# Altium PCB Zilents_TKL.PcbDoc (part 2 of 3) (continued)
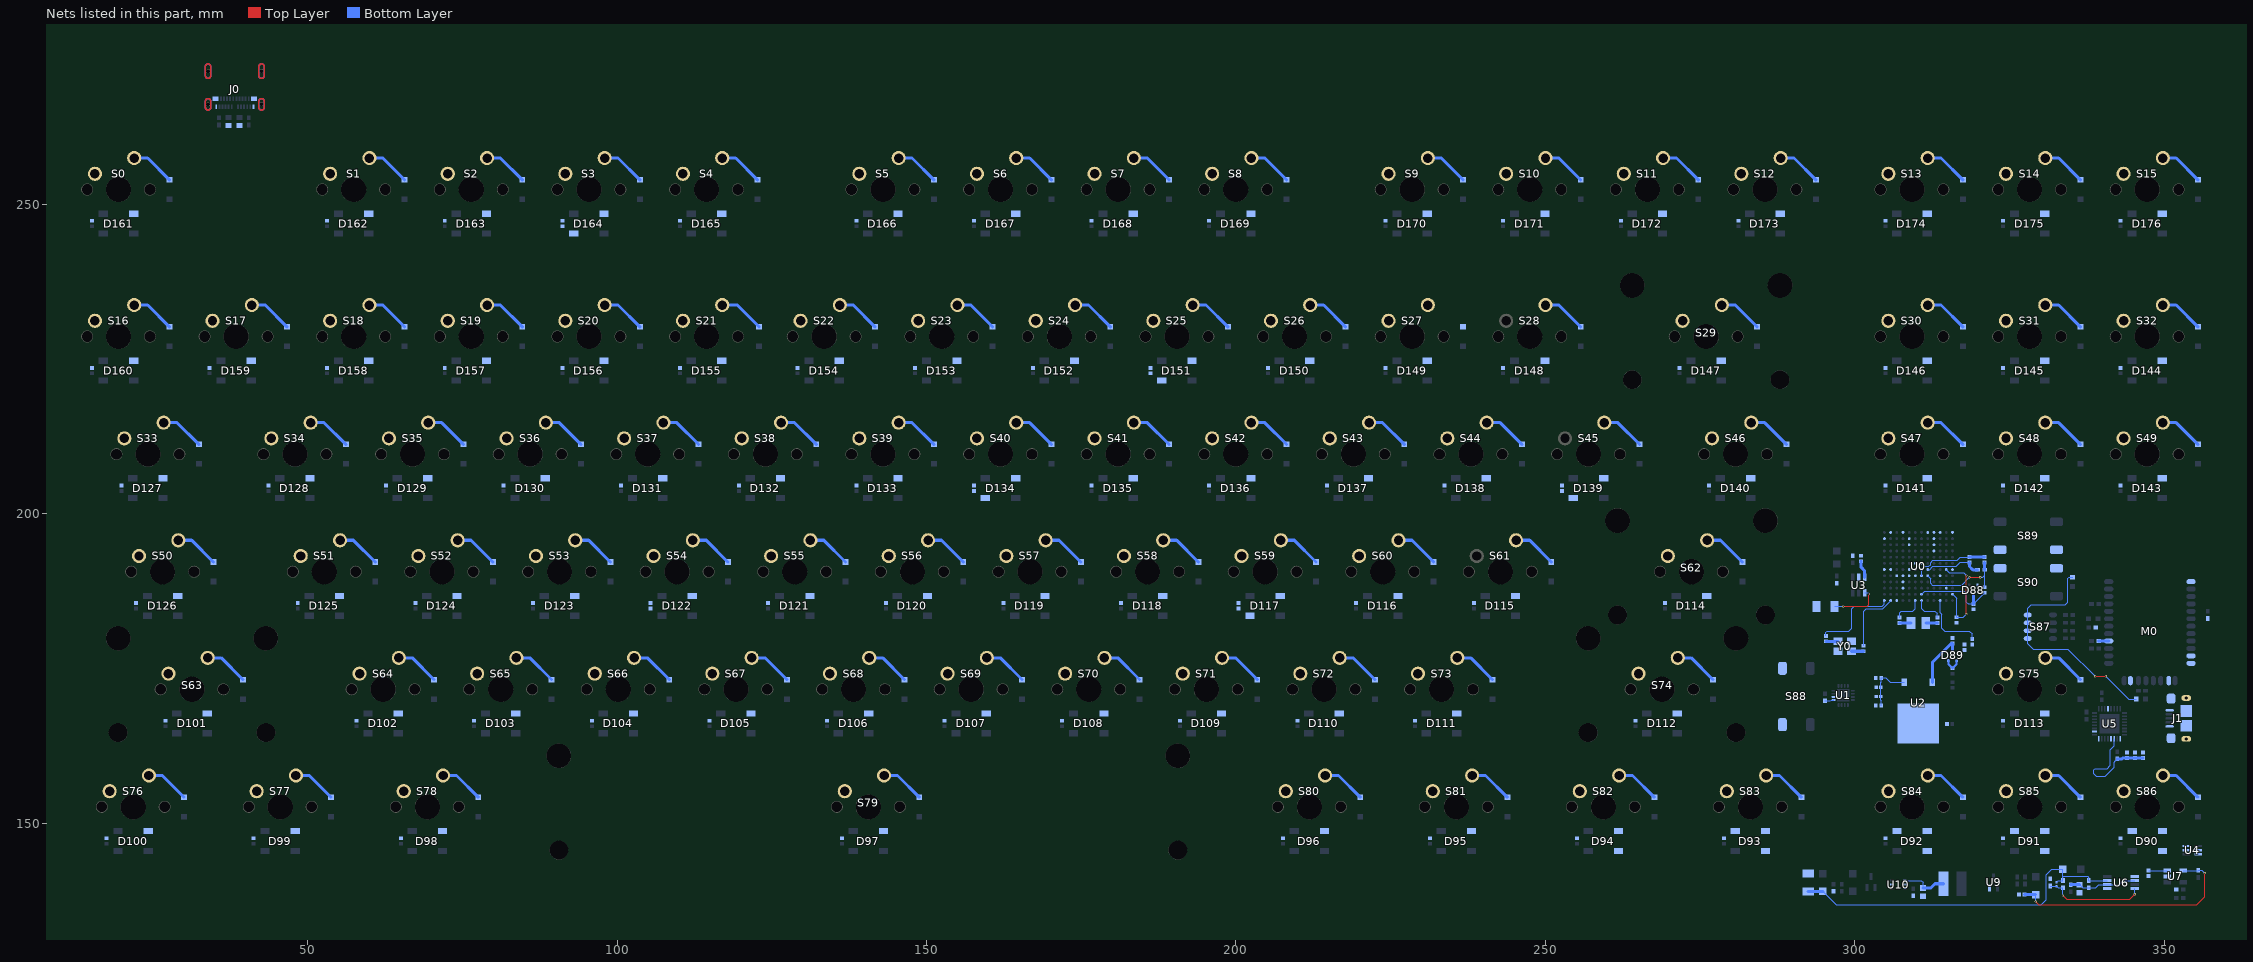
[diagram p2: the nets of this part, all layers, seen from the top]
## Part data (continued)
R27: library part ERJ-2RKF5100X, "RES SMD 510 OHM 1% 1/10W 0402", Device Package="0402 (1005 Metric)", Manufacturer="Panasonic Electronic Components", PowerRating="0.1W, 1/10W", Supplier Part Number 1=P510LTR-ND, TemperatureCoefficient=100ppm/C, TemperatureRange="-55C ~ 155C", Tolerance=1%, ComponentLink1Description=Datasheet, ComponentLink1URL=http://industrial.panasonic.com/www-cgi/jvcr13pz.cgi?E+PZ+3+AOA0002+ERJ2RKF5100X+7+WW, ComponentLink2Description="Digikey listing", ComponentLink2URL=http://digikey.com/product-detail/en/ERJ-2RKF5100X/P510LTR-ND/1746240, PartId=219, Part Number=ERJ-2RKF5100X, Price=0.0043, Supplier 1=Digi-Key, Type="Thick Film"
R28: library part ERJ-2RKF2003X, "RES SMD 200K OHM 1% 1/10W 0402", Device Package="0402 (1005 Metric)", Manufacturer="Panasonic Electronic Components", PowerRating="0.1W, 1/10W", Supplier Part Number 1=P200KLTR-ND, TemperatureCoefficient=100ppm/C, TemperatureRange="-55C ~ 155C", Tolerance=1%, ComponentLink1Description=Datasheet, ComponentLink1URL=http://industrial.panasonic.com/www-cgi/jvcr13pz.cgi?E+PZ+3+AOA0002+ERJ2RKF2003X+7+WW, ComponentLink2Description="Digikey listing", ComponentLink2URL=http://digikey.com/product-detail/en/ERJ-2RKF2003X/P200KLTR-ND/192216, PartId=17, Part Number=ERJ-2RKF2003X, Price=0.0043, Supplier 1=Digi-Key, Type="Thick Film"
R29: library part ERJ-2RKF1503X, "RES SMD 150K OHM 1% 1/10W 0402", Device Package="0402 (1005 Metric)", Manufacturer="Panasonic Electronic Components", PowerRating="0.1W, 1/10W", Supplier Part Number 1=P150KLTR-ND, TemperatureCoefficient=100ppm/C, TemperatureRange="-55C ~ 155C", Tolerance=1%, ComponentLink1Description=Datasheet, ComponentLink1URL=http://industrial.panasonic.com/www-cgi/jvcr13pz.cgi?E+PZ+3+AOA0002+ERJ2RKF1503X+7+WW, ComponentLink2Description="Digikey listing", ComponentLink2URL=http://digikey.com/product-detail/en/ERJ-2RKF1503X/P150KLTR-ND/192149, PartId=154, Part Number=ERJ-2RKF1503X, Price=0.0043, Supplier 1=Digi-Key, Type="Thick Film"
R30: library part ERJ-2RKF5102X, "RES SMD 51K OHM 1% 1/10W 0402", Device Package="0402 (1005 Metric)", Manufacturer="Panasonic Electronic Components", PowerRating="0.1W, 1/10W", Supplier Part Number 1=P51.0KLTR-ND, TemperatureCoefficient=100ppm/C, TemperatureRange="-55C ~ 155C", Tolerance=1%, ComponentLink1Description=Datasheet, ComponentLink1URL=http://industrial.panasonic.com/www-cgi/jvcr13pz.cgi?E+PZ+3+AOA0002+ERJ2RKF5102X+7+WW, ComponentLink2Description="Digikey listing", ComponentLink2URL=http://digikey.com/product-detail/en/ERJ-2RKF5102X/P51.0KLTR-ND/1647131, PartId=166, Part Number=ERJ-2RKF5102X, Price=0.0043, Supplier 1=Digi-Key, Type="Thick Film"
S0 S1 S2 S3 S4 S5 S6 S7 S8 S9 S10 S11 S12 S13 S14 S15 S16 S17 S18 S19 S20 S21 S22 S23 S24 S25 S26 S27 S28 S29 S30 S31 S32 S33 S34 S35 S36 S37 S38 S39 S40 S41 S42 S43 S44 S45 S46 S47 S48 S49 S50 S51 S52 S53 S54 S55 S56 S57 S58 S59 S60 S61 S62 S63 S64 S65 S66 S67 S68 S69 S70 S71 S72 S73 S74 S75 S76 S77 S78 S79 S80 S81 S82 S83 S84 S85 S86: library part Cherry_Switch, "Cherry SPST Keyswitch"
S87: "SWITCH SLIDE DIP 4POS SPST 25MA 24V", Current Rating=25mA, Manufacturer="CTS Electrocomponents", Operating Temperature="-55C ~ 85C", Supplier Part Number 1=CT3109-ND, Voltage=24VDC, Actuator Level="Flush, Recessed", Actuator Type="Slide (Standard)", Body Material=-, Circuit=SPST, ComponentLink1Description=Datasheet, ComponentLink1URL=http://www.ctscorp.com/wp-content/uploads/2015/11/218.pdf, ComponentLink2Description="Digi-Key Listing", ComponentLink2URL=http://www.digikey.com/product-detail/en/cts-electrocomponents/218-4LPSTJ/CT3109-ND/5223842, Contact Finish=Gold, Electrical Life="1,000 Cycles", Height Above Board="0.106\" (2.70mm)", Mechanical Life=-, Number Of Positions=4, PartId=21129, Part Number=218-4LPSTJ, Part Status=Active, Price=1.3, Series=218, Supplier 1=Digi-Key, Termination Style="J Lead", Type="DIP Switches"
S88 S89 S90: "SWITCH TACTILE SPST-NO 0.05A 24V", Contact Rating @ Voltage="0.05A @ 24VDC", Illumination Type, Colour=-, Manufacturer="TE Connectivity Alcoswitch Switches", Operating Force=160gf, Operating Temperature="-35C ~ 85C", Supplier Part Number 1=450-1759-2-ND, Actuator Orientation="Top Actuated", Actuator Type=Standard, Circuit=SPST-NO, ComponentLink1Description=Datasheet, ComponentLink1URL=http://www.te.com/commerce/DocumentDelivery/DDEController?Action=srchrtrv&DocNm=2-1437565-7&DocType=Customer+Drawing&DocLang=English, ComponentLink2Description="Digi-Key Listing", ComponentLink2URL=http://www.digikey.com/product-detail/en/FSM4JSMATR/450-1759-2-ND/529675, Illumination=Non-Illuminated, Illumination Voltage=-, Mechanical Life="100,000 Cycles", PartId=8249, Part Number=FSM4JSMATR, Price=0.128, Supplier 1=Digi-Key, Switch Function=Off-Mom, Switch Travel=0.25mm
U0: "Kinetis K66: 180MHz Cortex-M4F MCU, 1.2MB Flash, 256KB SRAM, 2xUSB, Ethernet, 144-MAPBGA", Package="MAPBGA-144 NXP Semiconductors", Availability=Good, MF="NXP Semiconductors", MP=MK66FX1M0VMD18, Price="12.45 USD", SnapEDA_Link=https://www.snapeda.com/parts/MK66FX1M0VMD18/NXP%20Semiconductors/view-part/?ref=snap, Supplier 1=Avnet, Supplier Part Number 1=MK66FX1M0VMD18
U1: library part MKL02Z32VFG4, Package="QFN-16 NXP Semiconductors", Availability=Good, DeviceSetName=MKL02Z32VFG4, GateName_1=G$1, LibraryName=MKL02Z32VFG4, MF="NXP Semiconductors", MP=MKL02Z32VFG4, Price="1.84 USD", SymbolName_1=MKL02Z32VFG4
U2: "500mA Low Dropout CMOS Linear egulators Stable with Ceramic Output Capacitors 3-TO-252 -40 to 125", Package="TO-252 Texas Instruments", Availability=Good, MF="Texas Instruments", MP=LP38691DTX-3.3/NOPB, Price="1.29 USD", SnapEDA_Link=https://www.snapeda.com/parts/LP38691DTX-3.3/NOPB/Texas%20Instruments/view-part/?ref=snap
U3: "Current Limit Switch and D+/D? ESD Protection for USB Host Ports 6-SOT-23 -40 to 85", Package="SOT-23-6 Texas Instruments", Availability=Good, MF="Texas Instruments", MP=TPD3S014DBVR, Price="0.69 USD", SnapEDA_Link=https://www.snapeda.com/parts/TPD3S014DBVR/Texas%20Instruments/view-part/?ref=snap
U4: "Imported", Manufacturer="Texas Instruments", Built_By=EMA_UL_Team, C="Copyright (C) 2015 Accelerated Designs. All rights reserved", Manufacturer_Part_Number=SN74LVC1T45DCKR, RefDes=RefDes, Type=DEV, Vendor="Texas Instruments"
U5: "USB Full Speed to Serial UART IC, Includes Oscillator and EEPROM - QFN-32", Package="QFN-32 FTDI", Digi-Key_Part_Number=768-1008-1-ND, Digi-Key_Purchase_URL=https://www.digikey.com/product-detail/en/ftdi-future-technology-devices-international-ltd/FT232RQ-REEL/768-1008-1-ND/1836403?utm_source=snapeda&utm_medium=aggregator&utm_campaign=symbol, MF=FTDI,, MP=FT232RQ-REEL, SnapEDA_Link=https://www.snapeda.com/parts/FT232RQ-REEL/FTDI%2C%20Future%20Technology%20Devices%20International%20Ltd/view-part/?ref=snap
U6: "Conv DC-DC Single Step Up 1.2V to 14V 8-Pin MSOP T/R", Package="MSOP-8 Texas Instruments", MF="Texas Instruments", MP=LM2621MM/NOPB, SnapEDA_Link=https://www.snapeda.com/parts/LM2621MM/NOPB/Texas%2520Instruments/view-part/?ref=snap
U7: "Sot23 Simple Low-Cost Integrated Li-Ion/Li-Poly Charge Mgnt Controller, 4.2v Vre", Package="SOT-23-5 Microchip", Availability=Unavailable, MF=Microchip, MP=MCP73811T-420I/OT, Price=None, SnapEDA_Link=https://www.snapeda.com/parts/MCP73811T-420I/OT/Microchip/view-part/?ref=snap
U8 U9: "Imported", C="Copyright (C) 2015 Accelerated Designs. All rights reserved", Copyright="Copyright (C) 2016 Accelerated Designs. All rights reserved", RefDes=RefDes, Type=DEV, Vendor=Nexperia
  U8: Manufacturer_Part_Number=BC857BW
  U9: Manufacturer_Part_Number=BC847BW
U10: "Ultra low quiescent current load switch"
Y0: library part NX3225SA-16.000000MHZ-T1, "CRYSTAL 16.0000MHZ 10PF SMD", Device Package="4-SMD, No Lead (DFN, LCC)", Frequency Stability=10ppm, Load Capacitance=10pF, Manufacturer=NDK, Operating Mode=Fundamental, Supplier Part Number 1=644-1100-2-ND, ComponentLink1Description=Datasheet, ComponentLink1URL="http://media.digikey.com/pdf/Data Sheets/NDK PDFs/NX3225SA-16.000000MHz-T1.pdf", ComponentLink2Description="Digi-Key Listing", ComponentLink2URL=http://www.digikey.com/product-detail/en/NX3225SA-16.000000MHZ-T1/644-1100-2-ND/1468341, ESR="60 Ohm", Frequency=16MHz, Frequency Tolerance=10ppm, PartId=8507, Part Number=NX3225SA-16.000000MHZ-T1, Price=0.4654, Supplier 1=Digi-Key, Type="MHz Crystal"
Y1: library part ABS07-120-32.768KHZ-T, "CRYSTAL 32.7680KHZ 6PF SMD", Device Package=2-SMD, Frequency Stability=-, Frequency Tolerance=20ppm, Load Capacitance=6pF, Manufacturer="Abracon LLC", Operating Mode=Fundamental, Supplier Part Number 1=535-11937-2-ND, ComponentLink1Description=Datasheet, ComponentLink1URL=http://www.abracon.com/Resonators/ABS07-120-32.768kHz-T.pdf, ComponentLink2Description="Digi-Key Listing", ComponentLink2URL=http://www.digikey.com/product-detail/en/ABS07-120-32.768KHZ-T/535-11937-2-ND/3724043, ESR="55 kOhm", Frequency=32.768kHz, PartId=8490, Part Number=ABS07-120-32.768KHZ-T, Price=0.3784, Supplier 1=Digi-Key, Type="kHz Crystal (Tuning Fork)"

## Via types
v1: diameter 0.35, hole 0.25, Top Layer to Bottom Layer, 30 vias
v2: diameter 0.5, hole 0.35, Top Layer to Bottom Layer, 9 vias
v3: diameter 1.009, hole 0.65, Top Layer to Bottom Layer, 2 vias
v4: diameter 0.3, hole 0.2, Top Layer to Bottom Layer, 2 vias

## Nets (pads, with @x,y where several pads share a name; then routed paths per layer and width w, separated by ;. In a path a pad name is that pad's centre, name@x,y a point inside that pad or via, vN(x,y) a via of type N, cw(c..) or ccw(c..) an arc to the next point about the centre after c; other vN are vias at no path point)
3.3V: C11.2 C12.2 C13.2 C14.2 D88.2 D178.1 D180.1 M0.11 R0.2 R18.1 S87.1 S87.2 S87.3 S87.4 U0.G1 U1.1 U2.1 U4.6 | length 48.5
  Top Layer w0.178: v1(338.8,173.7) v1(340.55,173.7)
  Bottom Layer w0.178: R0.2@295.15,169.725 296,169.725 296.146,169.871 296.546,169.871 U1.1@296.55,169.875 ; C11.2@304.25,168.95 304.25,169.75 304.2,169.8 C12.2@304.2,170.45 C13.2@304.2,171.95 304.2,172.73 304.25,172.78 C14.2@304.25,173.45 305,173.45 305.72,172.73 U2.1@307.928,172.73 ; D180.1@335.175,189.705 334.6,189.705 334.4,189.505 334.4,185.7 334,185.3 328.5,185.3 327.9,184.7 S87.4@327.9,183.615 S87.3@327.9,182.345 S87.2@327.9,181.075 S87.1@327.9,179.805 327.9,179 328.8,178.1 334.4,178.1 v1(338.8,173.7) ; v1(340.55,173.7) 344.25,170 D178.1@345.45,170
+5: C104.2 C105.1 C106.1 J1.1 R20.2 U5.19 | length 17.9
  Bottom Layer w0.178: U5.19@341.875,163.6 341.875,162.5 341.228,161.853 341.228,159.3 340.729,158.8 338.8,158.8 338.6,158.6 338.6,157.987 339.003,157.584 340.405,157.584 341.859,159.038 341.859,159.849 342.089,160.079 342.164,160.079 342.375,160.29 R20.2@342.375,160.365
  Bottom Layer w0.5: R20.2@342.375,160.365 342.38,160.37 343.105,160.37 343.235,160.5 C106.1@343.95,160.5 C105.1@345.225,160.5 C104.2@346.5,160.5
Col0: S0.0 S16.0 S33.0 S50.0 S76.0 U0.A5
Col1: S17.0 S34.0 S63.0 S77.0 U0.K9
Col2: S1.0 S18.0 S35.0 S51.0 S64.0 U0.J9
Col3: S2.0 S19.0 S36.0 S52.0 S65.0 S78.0 U0.A1
Col4: S3.0 S20.0 S37.0 S53.0 S66.0 U0.A4
Col5: S4.0 S21.0 S38.0 S54.0 S67.0 U0.C4
Col6: S5.0 S22.0 S39.0 S55.0 S68.0 U0.B4
Col7: S6.0 S23.0 S40.0 S56.0 S69.0 S79.0 U0.A11
Col8: S7.0 S24.0 S41.0 S57.0 S70.0 U0.A9
Col9: S8.0 S25.0 S42.0 S58.0 S71.0 U0.C8
Col10: S26.0 S43.0 S59.0 S72.0 S80.0 U0.B8
Col11: S9.0 S27.0 S44.0 S60.0 S73.0 S81.0 U0.D4
Col12: S10.0 U0.B12
Col13: S11.0 S62.0 S74.0 S82.0 U0.H10
Col14: S12.0 S29.0 S46.0 S83.0 U0.H9
Col15: S13.0 S30.0 S47.0 S84.0 U0.G11
Col16: S14.0 S31.0 S48.0 S75.0 S85.0 U0.G12
Col17: S15.0 S32.0 S49.0 S86.0 U0.A3
CTS: M0.16 R10.2 | length 1.6
  Bottom Layer w0.5: R10.2@339.375,179.4 M0.16@341,179.4
GND: C0.1 C1.1 C2.1 C3.1 C10.2 C11.1 C12.1 C13.1 C14.1 C16.1 C17.1 C18.1 C19.1 C20.1 C21.1 C22.1 C23.1 C24.1 C25.1 C26.1 C27.1 C30.1 C31.1 C32.1 C33.1 C34.1 C35.1 C36.1 C37.1 C38.1 C39.1 C40.1 C41.1 C42.1 C43.1 C46.1 C47.1 C48.1 C49.1 C50.1 C51.1 C52.1 C53.1 C54.1 C55.1 C56.1 C57.1 C58.1 C59.1 C60.1 C63.1 C64.1 C65.1 C66.1 C67.1 C68.1 C69.1 C70.1 C71.1 C72.1 C73.1 C74.1 C75.1 C76.1 C77.1 C80.1 C81.1 C82.1 C83.1 C84.1 C85.1 C86.1 C87.1 C88.1 C89.1 C90.1 C93.1 C94.1 C95.1 C96.1 C97.1 C98.1 C99.1 C100.1 C101.1 C102.1 C103.1 C104.1 C105.2 C106.2 C107.1 C108.1 C109.1 C110.2 C111.1 D90.3 D91.3 D92.3 D93.3 D94.3 D95.3 D96.3 D97.3 D98.3 D99.3 D100.3 D103.3 D104.3 D105.3 D106.3 D107.3 D108.3 D109.3 D110.3 D111.3 D112.3 D113.3 D114.3 D115.3 D116.3 D119.3 D120.3 D121.3 D122.3 D123.3 D124.3 D125.3 D126.3 D127.3 D128.3 D129.3 D130.3 D131.3 D132.3 D133.3 D136.3 D137.3 D138.3 D139.3 D140.3 D141.3 D142.3 D143.3 D144.3 D145.3 D146.3 D147.3 D148.3 D149.3 D150.3 D153.3 D154.3 D155.3 D156.3 D157.3 D158.3 D159.3 D160.3 D161.3 D162.3 D163.3 D166.3 D167.3 D168.3 D169.3 D170.3 D171.3 D172.3 D173.3 D174.3 D175.3 D176.3 FB2.1 J0.1 J0.2 J0.3 J0.4 J0.A1 J0.A12 J0.B1 J0.B12 J1.5 J1.S M0.1 M0.12 M0.28 M0.29 R1.1 R2.1 R3.1 R7.1 R19.1 R22.1 R24.1 R26.1 R30.1 S88.1 S88.2 S89.1 S89.2 S90.1 S90.2 U0.F6 U0.F7 U0.G7 U0.G8 U0.H3 U0.H7 U0.H8 U0.K2 U0.M10 U1.2 U2.2 U3.2 U4.2 U4.5 U5.4 U5.17 U5.20 U5.24 U5.26 U6.1 U6.5 U7.2 U9.2 U10.2 U10.5 Y0.2 Y0.4
NetC0_2: C0.2 D88.3 FB1.2 U0.L6 | length 14.2
  Bottom Layer w0.178: U0.L6@310.76,186.95 311.26,187.45 317.745,187.45 318,187.195 318,185.7 318.3,185.4 C0.2@319.15,185.4 319.17,185.4 319.381,185.611 319.381,185.626 320.719,186.964 320.719,186.984 320.93,187.195 FB1.2@320.95,187.195
  Bottom Layer w0.5: C0.2@319.15,185.4 D88.3@319.15,186.725
NetC2_2: C2.2 C10.1 D89.3 U2.3 U3.3 | length 11.5
  Bottom Layer w0.5: C2.2@301,192.295 301,191.312 301.55,190.762 U3.3@301.55,189.705 ; U2.3@312.5,172.73 312.5,175.925 315.575,179 C10.1@315.76,179 D89.3@315.76,178
NetC3_2: C3.2 U3.4 | length 8.2
  Top Layer w0.178: v1(298.1,185) 302,185 302.25,185.25 v1(302.25,187)
  Bottom Layer w0.178: C3.2@296.7,185 v1(298.1,185) ; U3.4@301.55,187.195 302.055,187.195 v1(302.25,187)
NetC4_1: C4.1 Y0.1 | length 2
  Bottom Layer w0.5: C4.1@295.3,179.35 Y0.1@297.25,179.35
NetC4_2: C4.2 U0.M12 | length 14.4
  Bottom Layer w0.178: C4.2@295.3,180.23 295.3,180.8 295.5,181 299.022,181 299.5,181.478 299.5,184.65 299.85,185 304.4,185 304.76,185.36 U0.M12@304.76,185.95
NetC5_1: C5.1 Y0.3 | length 2
  Bottom Layer w0.5: Y0.3@299.45,177.75 C5.1@301.4,177.75
NetC5_2: C5.2 U0.M11 | length 10.7
  Bottom Layer w0.178: C5.2@301.4,178.63 301.4,184.25 301.8,184.65 304.46,184.65 U0.M11@305.76,185.95
NetC6_1: C6.1 U0.M6 | length 4.8
  Bottom Layer w0.178: U0.M6@310.76,185.95 310.76,184.65 311.16,184.25 312.93,184.25 313.32,183.86 C6.1@313.32,183.2
NetC6_2: C6.2 Y1.2 | length 1.9
  Bottom Layer w0.5: Y1.2@311.46,182.32 C6.2@313.32,182.32
NetC7_1: C7.1 U0.M7 | length 4.9
  Bottom Layer w0.178: C7.1@307.2,183.2 307.2,183.95 307.5,184.25 309.36,184.25 309.76,184.65 U0.M7@309.76,185.95
NetC7_2: C7.2 Y1.1 | length 1.9
  Bottom Layer w0.5: C7.2@307.2,182.32 Y1.1@309.06,182.32
NetC8_1: C8.1 C9.1 C15.1 FB2.2 U0.G6 U0.H6 | length 12.2
  Bottom Layer w0.178: U0.H6@310.76,189.95 U0.G6@310.76,190.95 311.294,191.484 311.953,191.484 312.226,191.757 312.226,192.075 312.601,192.45 316.5,192.45 317.025,192.975 C9.1@318.5,192.975
  Bottom Layer w0.5: C9.1@318.5,192.975 C15.1@320.95,192.975
NetC8_2: C8.2 U0.M3 | length 10.7
  Bottom Layer w0.178: U0.M3@313.76,185.95 313.76,184 314,183.76 314,181.5 314.5,181 318.5,181 318.95,180.55 C8.2@318.95,179.73
NetC9_2: C9.2 R6.1 U0.G5 | length 9.4
  Bottom Layer w0.178: U0.G5@311.76,190.95 312.101,190.95 312.601,191.45 316.38,191.45 317.025,192.095 C9.2@318.5,192.095
  Bottom Layer w0.5: C9.2@318.5,192.095 318.5,191.45 319.05,190.9 R6.1@319.8,190.9
NetC15_2: C15.2 FB1.1 R6.2 U0.H5 | length 14.9
  Top Layer w0.178: v1(318.5,189.705) v1(320.25,189.705)
  Bottom Layer w0.178: U0.H5@311.76,189.95 312.25,189.46 312.25,188.7 312.5,188.45 317.245,188.45 v1(318.5,189.705) ; v1(320.25,189.705) 320.655,189.705 320.95,190 ; FB1.1@320.95,188.075 320.95,190 ; R6.2@320.95,190.9 320.95,190
  Bottom Layer w0.5: R6.2@320.95,190.9 C15.2@320.95,192.095
NetC16_2: C16.2 U0.G2 U0.L1 | length 15.6
  Top Layer w0.178: v1(318,183.75) v1(318,190)
  Bottom Layer w0.178: U0.G2@314.76,190.95 315.26,190.45 317.55,190.45 v1(318,190) ; U0.L1@315.76,186.95 316.41,186.3 C16.2@316.41,183.25 317.5,183.25 v1(318,183.75)
NetC28_1: C28.1 C44.1 C61.1 C78.1 C91.1 D101.3 D117.3 D134.3 D151.3 D164.3
NetC29_1: C29.1 C45.1 C62.1 C79.1 C92.1 D102.3 D118.3 D135.3 D152.3 D165.3
NetC44_2: C44.2 C61.2 C78.2 C91.2 D117.1 D134.1 D151.1 D164.1
NetC49_2: C49.2 C66.2 D139.1
NetC107_2: C107.2 U7.3 | length 3
  Bottom Layer w0.178: C107.2@347.45,142.326 U7.3@350.44,142.326
NetC108_2: C108.2 D181.1 D182.1 U7.4 | length 38.4
  Top Layer w0.178: v1(329.2,137.3) 329.7,136.8 355.2,136.8 356.5,138.1 v1(356.5,141.9)
  Bottom Layer w0.178: v1(329.2,137.3) D182.1@329.2,138.429 ; U7.4@353.04,142.326 D181.1@355.435,142.326 ; D181.1@355.45,142.342 356.058,142.342 v1(356.5,141.9)
  Bottom Layer w0.5: C108.2@327.39,138.429 D182.1@329.2,138.429
NetC109_2: C109.2 L0.2 U10.1 | length 7.6
  Bottom Layer w0.178: U10.1@308.05,140.703 310.697,140.703 311,140.4 C109.2@311,139.503
  Bottom Layer w0.5: C109.2@311,139.503 312.253,139.503 312.944,140.194 L0.2@314.31,140.194
NetC110_1: C110.1 C112.1 D184.2 D185.1 R27.2 R29.1 U6.7 | length 57.6
  Bottom Layer w0.178: D185.1@294.805,138.949 296.954,136.8 330.1,136.8 330.9,137.6 330.9,141.65 331.8,142.55 D184.2@333.6,142.55 333.6,141.25 ; C112.1@332.585,140.438 332.585,140.463 332.671,140.549 332.696,140.549 332.85,140.703 R29.1@333.6,140.703 333.6,141.25 ; U6.7@340.79,140.709 R27.2@337.775,140.709 337.775,141.25 337.648,141.376 333.726,141.376 333.6,141.25
  Bottom Layer w0.5: C110.1@292.45,138.949 D185.1@294.805,138.949
NetC111_2: C111.2 R27.1 R28.2 U6.2 U6.6 | length 11.1
  Bottom Layer w0.178: C111.2@336.275,140.053 336.325,140.053 336.686,139.692 336.686,139.663 336.79,139.559 R27.1@337.775,139.559 338.934,139.559 339.423,140.048 U6.6@340.79,140.048 342.7,140.048 343.36,140.709 U6.2@345.21,140.709
  Bottom Layer w0.5: R28.2@334.85,140.048 334.854,140.053 C111.2@336.275,140.053
NetC112_2: C112.2 R29.2 R30.2 U6.4 | length 16.5
  Top Layer w0.178: v1(333.6,138.3) 334.2,137.7 344.4,137.7 v1(345.2,138.5)
  Bottom Layer w0.178: R30.2@331.55,139.818 C112.2@332.585,139.818 332.585,139.793 332.671,139.707 332.696,139.707 332.85,139.553 R29.2@333.6,139.553 v1(333.6,138.3) ; v1(345.2,138.5) 345.21,138.51 U6.4@345.21,139.413
NetD0_1: D0.1 S0.1 | length 7.1
  Bottom Layer w0.5: S0.1@22,257.43 24.16,257.43 27.665,253.925 D0.1@27.69,253.925
NetD1_1: D1.1 S1.1 | length 7.1
  Bottom Layer w0.5: S1.1@60,257.43 62.16,257.43 65.665,253.925 D1.1@65.69,253.925
NetD2_1: D2.1 S2.1 | length 7.1
  Bottom Layer w0.5: S2.1@79,257.43 81.16,257.43 84.665,253.925 D2.1@84.69,253.925
NetD3_1: D3.1 S3.1 | length 7.1
  Bottom Layer w0.5: S3.1@98,257.43 100.16,257.43 103.665,253.925 D3.1@103.69,253.925
NetD4_1: D4.1 S4.1 | length 7.1
  Bottom Layer w0.5: S4.1@117,257.43 119.16,257.43 122.665,253.925 D4.1@122.69,253.925
NetD5_1: D5.1 S5.1 | length 7.1
  Bottom Layer w0.5: S5.1@145.5,257.43 147.66,257.43 151.165,253.925 D5.1@151.19,253.925
NetD6_1: D6.1 S6.1 | length 7.1
  Bottom Layer w0.5: S6.1@164.5,257.43 166.66,257.43 170.165,253.925 D6.1@170.19,253.925
NetD7_1: D7.1 S7.1 | length 7.1
  Bottom Layer w0.5: S7.1@183.5,257.43 185.66,257.43 189.165,253.925 D7.1@189.19,253.925
NetD8_1: D8.1 S8.1 | length 7.1
  Bottom Layer w0.5: S8.1@202.5,257.43 204.66,257.43 208.165,253.925 D8.1@208.19,253.925
NetD9_1: D9.1 S9.1 | length 7.1
  Bottom Layer w0.5: S9.1@231,257.43 233.16,257.43 236.665,253.925 D9.1@236.69,253.925
NetD10_1: D10.1 S10.1 | length 7.1
  Bottom Layer w0.5: S10.1@250,257.43 252.16,257.43 255.665,253.925 D10.1@255.69,253.925
NetD11_1: D11.1 S11.1 | length 7.1
  Bottom Layer w0.5: S11.1@269,257.43 271.16,257.43 274.665,253.925 D11.1@274.69,253.925
NetD12_1: D12.1 S12.1 | length 7.1
  Bottom Layer w0.5: S12.1@288,257.43 290.16,257.43 293.665,253.925 D12.1@293.69,253.925
NetD13_1: D13.1 S13.1 | length 7.1
  Bottom Layer w0.5: S13.1@311.75,257.43 313.9,257.43 317.405,253.925 D13.1@317.43,253.925
NetD14_1: D14.1 S14.1 | length 7.1
  Bottom Layer w0.5: S14.1@330.75,257.43 332.9,257.43 336.405,253.925 D14.1@336.43,253.925
NetD15_1: D15.1 S15.1 | length 7.1
  Bottom Layer w0.5: S15.1@349.75,257.43 351.9,257.43 355.405,253.925 D15.1@355.43,253.925
NetD16_1: D16.1 S16.1 | length 7.1
  Bottom Layer w0.5: S16.1@22,233.68 24.16,233.68 27.665,230.175 D16.1@27.69,230.175
NetD17_1: D17.1 S17.1 | length 7.1
  Bottom Layer w0.5: S17.1@41,233.68 43.16,233.68 46.665,230.175 D17.1@46.69,230.175
NetD18_1: D18.1 S18.1 | length 7.1
  Bottom Layer w0.5: S18.1@60,233.68 62.16,233.68 65.665,230.175 D18.1@65.69,230.175
NetD19_1: D19.1 S19.1 | length 7.1
  Bottom Layer w0.5: S19.1@79,233.68 81.16,233.68 84.665,230.175 D19.1@84.69,230.175
NetD20_1: D20.1 S20.1 | length 7.1
  Bottom Layer w0.5: S20.1@98,233.68 100.16,233.68 103.665,230.175 D20.1@103.69,230.175
NetD21_1: D21.1 S21.1 | length 7.4
  Bottom Layer w0.5: S21.1@117,233.68 119.43,233.68 122.935,230.175 D21.1@122.96,230.175
NetD22_1: D22.1 S22.1 | length 7.1
  Bottom Layer w0.5: S22.1@136,233.68 138.16,233.68 141.665,230.175 D22.1@141.69,230.175
NetD23_1: D23.1 S23.1 | length 7.1
  Bottom Layer w0.5: S23.1@155,233.68 157.16,233.68 160.665,230.175 D23.1@160.69,230.175
NetD24_1: D24.1 S24.1 | length 7.1
  Bottom Layer w0.5: S24.1@174,233.68 176.16,233.68 179.665,230.175 D24.1@179.69,230.175
NetD25_1: D25.1 S25.1 | length 7.1
  Bottom Layer w0.5: S25.1@193,233.68 195.16,233.68 198.665,230.175 D25.1@198.69,230.175
NetD26_1: D26.1 S26.1 | length 7.1
  Bottom Layer w0.5: S26.1@212,233.68 214.16,233.68 217.665,230.175 D26.1@217.69,230.175
NetD27_1: D27.1 S27.1
NetD28_1: D28.1 S28.1 | length 7.1
  Bottom Layer w0.5: S28.1@250,233.68 252.16,233.68 255.665,230.175 D28.1@255.69,230.175
NetD29_1: D29.1 S29.1 | length 7.1
  Bottom Layer w0.5: S29.1@278.5,233.68 280.66,233.68 284.165,230.175 D29.1@284.19,230.175
NetD30_1: D30.1 S30.1 | length 7.1
  Bottom Layer w0.5: S30.1@311.75,233.68 313.9,233.68 317.405,230.175 D30.1@317.43,230.175
NetD31_1: D31.1 S31.1 | length 7.1
  Bottom Layer w0.5: S31.1@330.75,233.68 332.9,233.68 336.405,230.175 D31.1@336.43,230.175
NetD32_1: D32.1 S32.1 | length 7.1
  Bottom Layer w0.5: S32.1@349.75,233.68 351.9,233.68 355.405,230.175 D32.1@355.43,230.175
NetD33_1: D33.1 S33.1 | length 7.1
  Bottom Layer w0.5: S33.1@26.75,214.68 28.91,214.68 32.415,211.175 D33.1@32.44,211.175
NetD34_1: D34.1 S34.1 | length 7.1
  Bottom Layer w0.5: S34.1@50.5,214.68 52.66,214.68 56.165,211.175 D34.1@56.19,211.175
NetD35_1: D35.1 S35.1 | length 7.1
  Bottom Layer w0.5: S35.1@69.5,214.68 71.66,214.68 75.165,211.175 D35.1@75.19,211.175
NetD36_1: D36.1 S36.1 | length 7.1
  Bottom Layer w0.5: S36.1@88.5,214.68 90.66,214.68 94.165,211.175 D36.1@94.19,211.175
NetD37_1: D37.1 S37.1 | length 7.1
  Bottom Layer w0.5: S37.1@107.5,214.68 109.66,214.68 113.165,211.175 D37.1@113.19,211.175
NetD38_1: D38.1 S38.1 | length 7.1
  Bottom Layer w0.5: S38.1@126.5,214.68 128.66,214.68 132.165,211.175 D38.1@132.19,211.175
NetD39_1: D39.1 S39.1 | length 7.1
  Bottom Layer w0.5: S39.1@145.5,214.68 147.66,214.68 151.165,211.175 D39.1@151.19,211.175
NetD40_1: D40.1 S40.1 | length 7.1
  Bottom Layer w0.5: S40.1@164.5,214.68 166.66,214.68 170.165,211.175 D40.1@170.19,211.175
NetD41_1: D41.1 S41.1 | length 7.1
  Bottom Layer w0.5: S41.1@183.5,214.68 185.66,214.68 189.165,211.175 D41.1@189.19,211.175
NetD42_1: D42.1 S42.1 | length 7.1
  Bottom Layer w0.5: S42.1@202.5,214.68 204.66,214.68 208.165,211.175 D42.1@208.19,211.175
NetD43_1: D43.1 S43.1 | length 7.1
  Bottom Layer w0.5: S43.1@221.5,214.68 223.66,214.68 227.165,211.175 D43.1@227.19,211.175
NetD44_1: D44.1 S44.1 | length 7.1
  Bottom Layer w0.5: S44.1@240.5,214.68 242.685,214.68 D44.1@246.19,211.175
NetD45_1: D45.1 S45.1 | length 7.1
  Bottom Layer w0.5: S45.1@259.5,214.68 261.685,214.68 D45.1@265.19,211.175
NetD46_1: D46.1 S46.1 | length 7.1
  Bottom Layer w0.5: S46.1@283.25,214.68 285.41,214.68 288.915,211.175 D46.1@288.94,211.175
NetD47_1: D47.1 S47.1 | length 7.1
  Bottom Layer w0.5: S47.1@311.75,214.68 313.9,214.68 317.405,211.175 D47.1@317.43,211.175
NetD48_1: D48.1 S48.1 | length 7.1
  Bottom Layer w0.5: S48.1@330.75,214.68 332.9,214.68 336.405,211.175 D48.1@336.43,211.175
NetD49_1: D49.1 S49.1 | length 7.1
  Bottom Layer w0.5: S49.1@349.75,214.68 351.9,214.68 355.405,211.175 D49.1@355.43,211.175
NetD50_1: D50.1 S50.1 | length 7.1
  Bottom Layer w0.5: S50.1@29.125,195.68 31.285,195.68 34.79,192.175 D50.1@34.815,192.175
NetD51_1: D51.1 S51.1 | length 7.1
  Bottom Layer w0.5: S51.1@55.25,195.68 57.41,195.68 60.915,192.175 D51.1@60.94,192.175
NetD52_1: D52.1 S52.1 | length 7.1
  Bottom Layer w0.5: S52.1@74.25,195.68 76.41,195.68 79.915,192.175 D52.1@79.94,192.175
NetD53_1: D53.1 S53.1 | length 7.1
  Bottom Layer w0.5: S53.1@93.25,195.68 95.41,195.68 98.915,192.175 D53.1@98.94,192.175
NetD54_1: D54.1 S54.1 | length 7.1
  Bottom Layer w0.5: S54.1@112.25,195.68 114.41,195.68 117.915,192.175 D54.1@117.94,192.175
NetD55_1: D55.1 S55.1 | length 7.1
  Bottom Layer w0.5: S55.1@131.25,195.68 133.41,195.68 136.915,192.175 D55.1@136.94,192.175
NetD56_1: D56.1 S56.1 | length 7.1
  Bottom Layer w0.5: S56.1@150.25,195.68 152.41,195.68 155.915,192.175 D56.1@155.94,192.175
NetD57_1: D57.1 S57.1 | length 7.1
  Bottom Layer w0.5: S57.1@169.25,195.68 171.41,195.68 174.915,192.175 D57.1@174.94,192.175
NetD58_1: D58.1 S58.1 | length 7.1
  Bottom Layer w0.5: S58.1@188.25,195.68 190.41,195.68 193.915,192.175 D58.1@193.94,192.175
NetD59_1: D59.1 S59.1 | length 7.1
  Bottom Layer w0.5: S59.1@207.25,195.68 209.41,195.68 212.915,192.175 D59.1@212.94,192.175
NetD60_1: D60.1 S60.1 | length 7.1
  Bottom Layer w0.5: S60.1@226.25,195.68 228.435,195.68 D60.1@231.94,192.175
NetD61_1: D61.1 S61.1 | length 7.1
  Bottom Layer w0.5: S61.1@245.25,195.68 247.435,195.68 D61.1@250.94,192.175
NetD62_1: D62.1 S62.1 | length 7.1
  Bottom Layer w0.5: S62.1@276.125,195.68 278.285,195.68 281.79,192.175 D62.1@281.815,192.175
NetD63_1: D63.1 S63.1 | length 7.1
  Bottom Layer w0.5: S63.1@33.875,176.68 36.035,176.68 39.54,173.175 D63.1@39.565,173.175
NetD64_1: D64.1 S64.1 | length 7.1
  Bottom Layer w0.5: S64.1@64.75,176.68 66.91,176.68 70.415,173.175 D64.1@70.44,173.175
NetD65_1: D65.1 S65.1 | length 7.1
  Bottom Layer w0.5: S65.1@83.75,176.68 85.91,176.68 89.415,173.175 D65.1@89.44,173.175
NetD66_1: D66.1 S66.1 | length 7.1
  Bottom Layer w0.5: S66.1@102.75,176.68 104.91,176.68 108.415,173.175 D66.1@108.44,173.175
NetD67_1: D67.1 S67.1 | length 7.1
  Bottom Layer w0.5: S67.1@121.75,176.68 123.91,176.68 127.415,173.175 D67.1@127.44,173.175
NetD68_1: D68.1 S68.1 | length 7.1
  Bottom Layer w0.5: S68.1@140.75,176.68 142.91,176.68 146.415,173.175 D68.1@146.44,173.175
NetD69_1: D69.1 S69.1 | length 7.1
  Bottom Layer w0.5: S69.1@159.75,176.68 161.91,176.68 165.415,173.175 D69.1@165.44,173.175
NetD70_1: D70.1 S70.1 | length 7.1
  Bottom Layer w0.5: S70.1@178.75,176.68 180.91,176.68 184.415,173.175 D70.1@184.44,173.175
NetD71_1: D71.1 S71.1 | length 7.1
  Bottom Layer w0.5: S71.1@197.75,176.68 199.91,176.68 203.415,173.175 D71.1@203.44,173.175
NetD72_1: D72.1 S72.1 | length 7.1
  Bottom Layer w0.5: S72.1@216.75,176.68 218.91,176.68 222.415,173.175 D72.1@222.44,173.175
NetD73_1: D73.1 S73.1 | length 7.1
  Bottom Layer w0.5: S73.1@235.75,176.68 237.91,176.68 241.415,173.175 D73.1@241.44,173.175
NetD74_1: D74.1 S74.1 | length 7.1
  Bottom Layer w0.5: S74.1@271.375,176.68 273.535,176.68 277.04,173.175 D74.1@277.065,173.175
NetD75_1: D75.1 S75.1 | length 7.1
  Bottom Layer w0.5: S75.1@330.75,176.68 332.9,176.68 336.405,173.175 D75.1@336.43,173.175
NetD76_1: D76.1 S76.1 | length 7.1
  Bottom Layer w0.5: S76.1@24.375,157.68 26.535,157.68 30.04,154.175 D76.1@30.065,154.175
NetD77_1: D77.1 S77.1 | length 7.1
  Bottom Layer w0.5: S77.1@48.125,157.68 50.285,157.68 53.79,154.175 D77.1@53.815,154.175
NetD78_1: D78.1 S78.1 | length 7.1
  Bottom Layer w0.5: S78.1@71.895,157.68 74.055,157.68 77.56,154.175 D78.1@77.585,154.175
NetD79_1: D79.1 S79.1 | length 7.1
  Bottom Layer w0.5: S79.1@143.145,157.68 145.305,157.68 148.81,154.175 D79.1@148.835,154.175
NetD80_1: D80.1 S80.1 | length 7.1
  Bottom Layer w0.5: S80.1@214.395,157.68 216.555,157.68 220.06,154.175 D80.1@220.085,154.175
NetD81_1: D81.1 S81.1 | length 7.1
  Bottom Layer w0.5: S81.1@238.145,157.68 240.305,157.68 243.81,154.175 D81.1@243.835,154.175
NetD82_1: D82.1 S82.1 | length 7.1
  Bottom Layer w0.5: S82.1@261.895,157.68 264.055,157.68 267.56,154.175 D82.1@267.585,154.175
NetD83_1: D83.1 S83.1 | length 7.1
  Bottom Layer w0.5: S83.1@285.645,157.68 287.805,157.68 291.31,154.175 D83.1@291.335,154.175
NetD84_1: D84.1 S84.1 | length 7.1
  Bottom Layer w0.5: S84.1@311.77,157.68 313.9,157.68 317.405,154.175 D84.1@317.43,154.175
NetD85_1: D85.1 S85.1 | length 7.1
  Bottom Layer w0.5: S85.1@330.77,157.68 332.9,157.68 336.405,154.175 D85.1@336.43,154.175
NetD86_1: D86.1 S86.1 | length 7.1
  Bottom Layer w0.5: S86.1@349.77,157.68 351.9,157.68 355.405,154.175 D86.1@355.43,154.175
NetD89_1: D89.1 D89.2 FB0.2 | length 3.1
  Bottom Layer w0.35: D89.2@315.11,176.275 315.11,175.65 FB0.2@315.76,175 316.41,175.65 D89.1@316.41,176.275
NetD90_2: D90.2 D91.4
NetD90_4: D90.4 U4.3
NetD91_2: D91.2 D92.4
NetD92_2: D92.2 D93.4
NetD93_2: D93.2 D94.4